# KiCad board data-center-rdimm-ddr5-tester.kicad_pcb (continued)
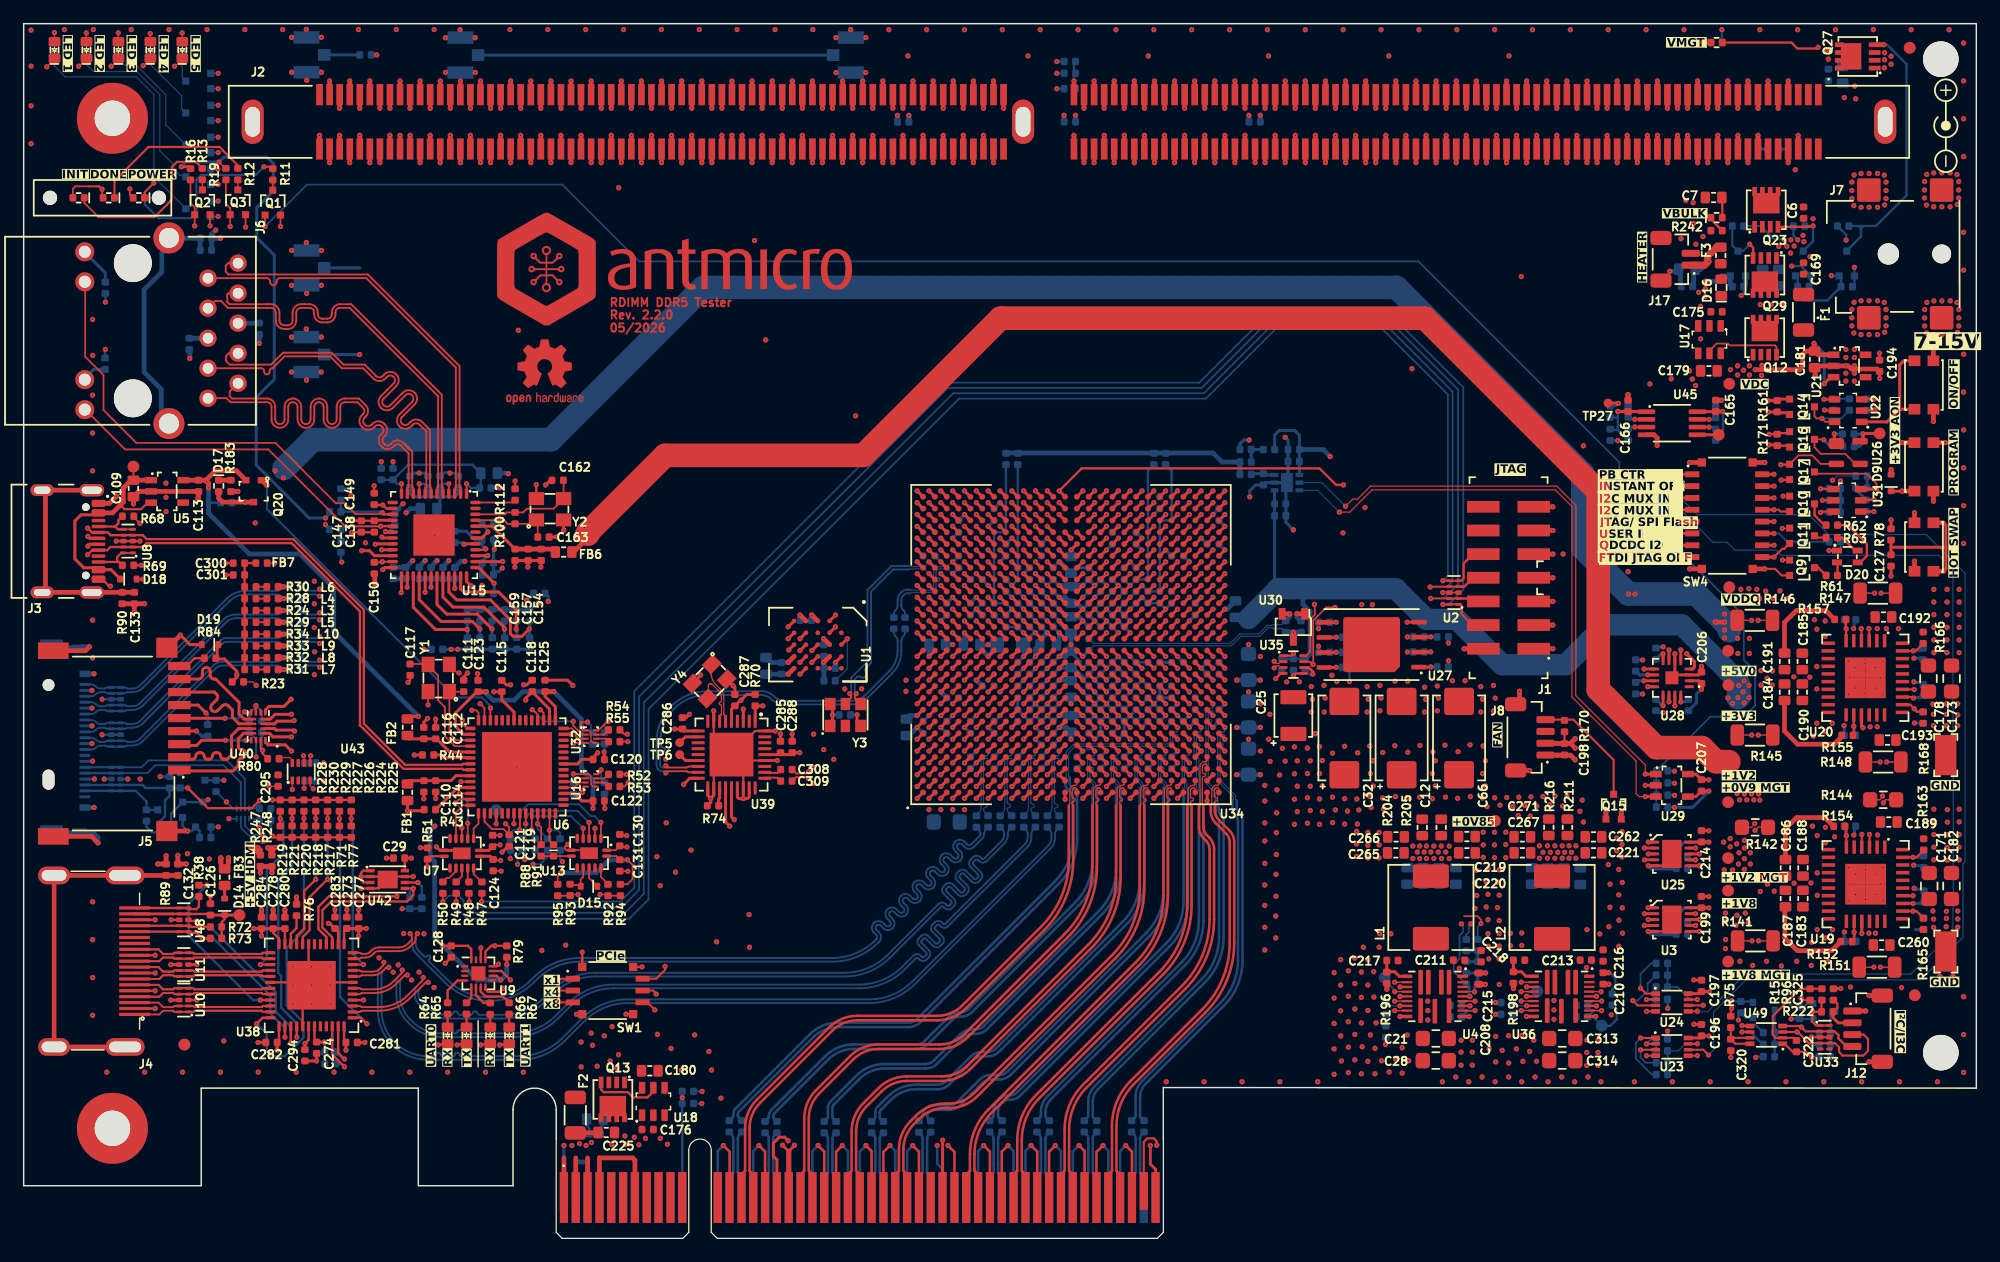
[diagram p0: board, top side]
## Routing (per net, layer and track width the routed paths; a pad name or vN(x,y) marks a point on that pad's centre or on a via; arc(x,y) is an arc through that point) (continued)
/FPGA banks HP/HyperRAM.DQ5: length 30.4
  Top w0.256: U34.H17 v1(82.5,54.2) ; v1(64.65,49.75) U1.E3
  In4.Cu w0.1: v1(64.65,49.75) 63.52,50.88 63.52,55.94 65.28,57.7 80.74,57.7 80.99,57.45 80.99,56.01 81.3,55.7 81.72,55.7 82,55.42 82,54.7 v1(82.5,54.2)
/FPGA banks HP/HyperRAM.DQ6: length 26.7
  Top w0.256: U34.D16 v1(78.5,53.2) ; U1.E2 v1(64.6,50.7)
  In4.Cu w0.1: v1(78.5,53.2) 78.5,53.51 78,54.01 78,54.42 77.7,54.72 74.93,54.72 73.82,55.83 68.86,55.83 68.55,55.52 68.55,54.57 68.7,54.42 68.93,54.42 69.95,53.4 69.95,52.04 69.11,51.2 68.31,51.2 68.02,51.49 68.02,52.95 67.71,53.26 65.41,53.26 65.12,52.97 65.12,51.22 v1(64.6,50.7)
/FPGA banks HP/HyperRAM.DQ7: length 30.3
  Top w0.256: U34.G17 v1(81.5,54.2) ; U1.E1 v1(64.6,51.7)
  In4.Cu w0.1: v1(81.5,54.2) 81,54.7 80.2,54.7 79.97,54.93 79.97,56.43 79.7,56.7 75.17,56.7 74.72,57.15 65.5,57.15 64.06,55.71 64.06,55.65 arc(64.12,55.51) 64.26,55.45 64.49,55.45 arc(64.63,55.39) 64.69,55.25 arc(64.63,55.11) 64.49,55.05 64.26,55.05 arc(64.12,54.99) 64.06,54.85 arc(64.12,54.71) 64.26,54.65 64.49,54.65 arc(64.63,54.59) 64.69,54.45 arc(64.63,54.31) 64.49,54.25 64.26,54.25 arc(64.12,54.19) 64.06,54.05 arc(64.12,53.91) 64.26,53.85 64.79,53.85 arc(64.93,53.79) 64.99,53.65 arc(64.93,53.51) 64.79,53.45 64.26,53.45 arc(64.12,53.39) 64.06,53.25 arc(64.12,53.11) 64.26,53.05 64.64,53.05 arc(64.78,52.99) 64.84,52.85 arc(64.78,52.71) 64.64,52.65 64.26,52.65 arc(64.12,52.59) 64.06,52.45 64.06,52.24 v1(64.6,51.7)
/FPGA banks HP/HyperRAM.RWDS: length 27.4
  Top w0.256: U34.G15 v1(81.5,52.2) ; U1.C3 v1(66.6,49.7)
  In4.Cu w0.1: v1(66.6,49.7) 66.3,49.7 65.8,49.2 65.35,49.2 65.1,48.95 65.1,48.51 64.8,48.21 64.4,48.21 64.11,47.92 64.11,47.41 65.23,46.29 67.25,46.29 68.28,47.32 72.67,47.32 73.62,48.27 74.66,48.27 75.1,48.71 79.72,48.71 80,48.99 80,49.42 81.21,50.63 81.68,50.63 81.97,50.92 81.97,51.43 81.5,51.9 v1(81.5,52.2)
/FPGA banks HP/HyperRAM.~{CS}: length 30
  Top w0.256: U1.A3 v1(69.6,50.7) ; U34.H18 v1(82.5,55.2)
  In4.Cu w0.1: v1(69.6,50.7) 70.13,50.7 70.47,51.04 70.47,51.15 arc(70.43,51.24) 70.33,51.28 arc(70.24,51.32) 70.2,51.42 70.2,51.45 arc(70.24,51.54) 70.33,51.58 arc(70.43,51.62) 70.47,51.72 70.47,53.53 69.22,54.78 69.22,55.22 69.4,55.4 73.55,55.4 75.28,53.67 77.7,53.67 78.05,53.32 78.05,52.91 78.3,52.66 79.8,52.66 79.99,52.85 79.99,53.39 80.3,53.7 82.81,53.7 83.01,53.9 83.01,55.51 82.86,55.66 82.63,55.66 82.5,55.53 v1(82.5,55.2)
  Bottom w0.1: v1(69.6,50.7) 69.6,48.16 68.59,47.15
/FPGA banks HP/HyperRAM.~{RESET}: length 26.7
  Top w0.256: U34.F15 v1(80.5,52.2) ; U1.A4 v1(68.6,48.7)
  In4.Cu w0.1: v1(80.5,52.2) 80.09,52.2 80,52.1 80,51.03 79.66,50.69 78.29,50.69 78.01,50.41 75.2,50.41 arc(75.08,50.36) 75.03,50.23 75.03,49.97 arc(74.97,49.85) 74.85,49.79 arc(74.73,49.85) 74.68,49.97 74.68,50.23 arc(74.62,50.36) 74.5,50.41 arc(74.38,50.36) 74.32,50.23 74.32,49.28 arc(74.27,49.16) 74.15,49.11 arc(74.03,49.16) 73.97,49.28 73.97,49.49 arc(73.94,49.58) 73.85,49.61 arc(73.76,49.65) 73.72,49.74 73.72,49.84 arc(73.76,49.93) 73.85,49.96 arc(73.94,50) 73.97,50.09 73.97,50.23 arc(73.92,50.36) 73.8,50.41 73.74,50.41 arc(73.62,50.36) 73.56,50.23 arc(73.51,50.11) 73.39,50.06 arc(73.27,50.11) 73.22,50.23 arc(73.16,50.36) 73.04,50.41 72.82,50.41 72.81,50.4 arc(72.75,50.26) 72.81,50.11 73.48,49.44 arc(73.54,49.3) 73.48,49.16 arc(73.34,49.1) 73.2,49.16 72.52,49.83 arc(72.38,49.89) 72.24,49.83 arc(72.18,49.69) 72.24,49.55 72.81,48.98 arc(72.87,48.84) 72.81,48.7 arc(72.67,48.64) 72.52,48.7 71.96,49.27 arc(71.82,49.32) 71.68,49.27 arc(71.62,49.12) 71.68,48.98 72.03,48.63 arc(72.09,48.49) 72.03,48.35 arc(71.89,48.29) 71.75,48.35 71.39,48.7 arc(71.25,48.76) 71.11,48.7 70.93,48.7 arc(70.77,48.63) 70.71,48.48 arc(70.64,48.32) 70.48,48.25 70.43,48.25 arc(70.27,48.32) 70.21,48.48 arc(70.14,48.63) 69.98,48.7 69.93,48.7 arc(69.77,48.63) 69.71,48.48 arc(69.64,48.32) 69.48,48.25 69.43,48.25 arc(69.27,48.32) 69.21,48.48 arc(69.14,48.63) 68.98,48.7 v1(68.6,48.7)
  Bottom w0.4: v1(68.6,48.7) 68.58,48.68 R1.2
/FPGA banks HP/SD.CD: length 78.4
  Top w0.256: 16.23,49.05 16.35,49.16 16.35,50.1 D19.1 ; U34.E20 v1(79.5,57.2) ; R23.1 18.01,47.44 18.01,47.94 16.96,48.99 16.23,48.99
  In2.Cu w0.1: v1(79.5,57.2) 79,56.7 74.89,56.7 74.67,56.92 61.92,56.92 59.84,54.83 50.06,54.83 47.22,52 36.4,52 36.08,51.68 30.83,51.68 29.3,50.15 29.3,47.81 26.82,45.33 26.03,45.33 24.02,43.32 22.51,43.32 22.15,43.67 22.15,44.51 23.07,45.43 23.07,45.98 21.8,47.25 18.41,47.25 v1(18.01,47.65)
/FPGA banks HP/SD.CLK: length 72.9
  Top w0.256: v1(22.6,45.57) 22,44.97 20.72,44.97 20.42,44.67 20.42,44.48 ; U34.F18 v1(80.5,55.2)
  In2.Cu w0.1: v1(22.6,45.57) 22.25,45.57 21.62,44.94 21.62,42.62 22.43,41.81 25.62,41.81 26.9,43.09 29.65,43.09 35.76,49.2 49.08,49.2 52.18,52.29 60.81,52.29 63.13,54.61 72.58,54.61 73.49,53.7 79.7,53.7 80,54 80,54.4 80.5,54.9 v1(80.5,55.2)
/FPGA banks HP/SD.CMD: length 76.7
  Top w0.256: 20.42,42.13 20.42,41.95 20.65,41.72 21.67,41.72 ; 21.5,41.72 22.1,41.72 v1(22.62,41.2) ; U34.H19 v1(82.5,56.2)
  In2.Cu w0.1: v1(82.5,56.2) 82.01,55.71 81.26,55.71 81,55.45 81,52.99 80.71,52.7 73.08,52.7 71.78,54 63.6,54 60.96,51.36 52.65,51.36 49.52,48.23 35.97,48.23 35.84,48.1 arc(35.72,47.82) 35.84,47.54 arc(35.96,47.26) 35.84,46.99 35.83,46.98 arc(35.55,46.86) 35.27,46.98 arc(35,47.09) 34.72,46.98 34.71,46.97 arc(34.59,46.69) 34.71,46.41 arc(34.82,46.13) 34.71,45.85 34.7,45.85 arc(34.42,45.73) 34.14,45.85 arc(33.86,45.96) 33.59,45.85 33.58,45.84 arc(33.46,45.56) 33.58,45.28 arc(33.69,45) 33.58,44.72 33.57,44.71 arc(33.29,44.6) 33.01,44.71 arc(32.73,44.83) 32.45,44.71 32.45,44.71 arc(32.33,44.43) 32.45,44.15 arc(32.56,43.87) 32.45,43.59 32.44,43.58 arc(32.16,43.47) 31.88,43.58 arc(31.6,43.7) 31.32,43.58 31.31,43.57 arc(31.2,43.3) 31.31,43.02 arc(31.43,42.74) 31.31,42.46 31.31,42.45 arc(31.03,42.34) 30.75,42.45 arc(30.47,42.57) 30.19,42.45 29.99,42.25 27.28,42.25 26.23,41.2 v1(22.62,41.2)
/FPGA banks HP/SD.DAT0: length 76.8
  Top w0.256: U34.G20 v1(81.5,57.2) ; v1(22.85,43.77) 22.81,43.73 21.42,43.73 21.19,43.5 U40.3
  In2.Cu w0.1: v1(81.5,57.2) 81.05,57.65 61.35,57.65 59.19,55.49 49.08,55.49 46.24,52.65 41.58,52.65 41.43,52.8 35.75,52.8 arc(35.56,52.72) 35.47,52.52 35.47,52.47 arc(35.39,52.28) 35.2,52.2 arc(35.01,52.28) 34.93,52.47 34.93,52.52 arc(34.84,52.72) 34.65,52.8 arc(34.46,52.72) 34.38,52.52 34.38,52.47 arc(34.29,52.28) 34.1,52.2 arc(33.91,52.28) 33.82,52.47 33.82,52.52 arc(33.74,52.72) 33.55,52.8 arc(33.36,52.72) 33.28,52.52 33.28,52.47 arc(33.19,52.28) 33,52.2 arc(32.81,52.28) 32.72,52.47 32.72,52.52 arc(32.64,52.72) 32.45,52.8 arc(32.26,52.72) 32.18,52.52 32.18,52.47 arc(32.09,52.28) 31.9,52.2 arc(31.71,52.28) 31.62,52.47 31.62,52.52 arc(31.54,52.72) 31.35,52.8 arc(31.16,52.72) 31.07,52.52 31.07,52.47 arc(30.99,52.28) 30.8,52.2 arc(30.61,52.28) 30.53,52.47 30.53,52.52 arc(30.44,52.72) 30.25,52.8 29.65,52.8 29.62,52.77 arc(29.55,52.61) 29.62,52.45 29.81,52.26 arc(29.88,52.1) 29.81,51.94 arc(29.65,51.87) 29.49,51.94 29.3,52.13 arc(29.14,52.2) 28.98,52.13 arc(28.92,51.97) 28.98,51.81 29.17,51.62 arc(29.24,51.46) 29.17,51.3 arc(29.01,51.24) 28.86,51.3 28.66,51.49 arc(28.5,51.56) 28.34,51.49 28.22,51.38 28.22,50.75 arc(28.3,50.58) 28.47,50.51 arc(28.64,50.43) 28.72,50.26 28.72,50.15 arc(28.64,49.98) 28.47,49.91 arc(28.3,49.83) 28.22,49.66 28.22,49.55 arc(28.3,49.38) 28.47,49.31 arc(28.64,49.23) 28.72,49.06 28.72,48.95 arc(28.64,48.78) 28.47,48.71 arc(28.3,48.63) 28.22,48.46 28.22,48.03 26.34,46.15 25.83,46.15 23.45,43.77 v1(22.85,43.77)
/FPGA banks HP/SD.DAT1: length 76.7
  Top w0.256: v1(22.63,44.3) 21.24,44.3 20.84,43.9 U40.4 ; U34.G21 v1(81.5,58.2)
  In2.Cu w0.1: v1(81.5,58.2) 81,58.7 75.03,58.7 74.75,58.42 60.83,58.42 58.83,56.42 48.38,56.42 45.16,53.2 42.05,53.2 41.72,53.53 27.89,53.53 27.76,53.4 arc(27.66,53.17) 27.76,52.94 27.93,52.77 arc(28.02,52.54) 27.93,52.31 arc(27.7,52.22) 27.47,52.31 27.3,52.48 arc(27.07,52.58) 26.84,52.48 26.63,52.27 26.63,51.98 arc(26.73,51.75) 26.95,51.66 27.3,51.66 arc(27.53,51.56) 27.63,51.33 arc(27.53,51.1) 27.3,51 26.95,51 arc(26.73,50.91) 26.63,50.68 arc(26.73,50.45) 26.95,50.35 27.3,50.35 arc(27.53,50.26) 27.63,50.03 arc(27.53,49.8) 27.3,49.7 26.95,49.7 arc(26.73,49.61) 26.63,49.38 arc(26.73,49.15) 26.95,49.05 27.3,49.05 arc(27.53,48.96) 27.63,48.73 arc(27.53,48.5) 27.3,48.41 26.95,48.41 arc(26.73,48.31) 26.63,48.08 26.63,47.5 26.17,47.04 25.37,47.04 v1(22.63,44.3)
/FPGA banks HP/SD.DAT2: length 74.1
  Top w0.256: U34.F19 v1(80.5,56.2) ; 20.42,42.7 20.77,42.7 21.07,42.4 v1(22.63,42.4)
  In2.Cu w0.1: v1(22.63,42.4) 25.06,42.4 26.49,43.83 28.52,43.83 29.01,44.32 arc(29.24,44.42) 29.47,44.32 29.49,44.3 arc(29.72,44.2) 29.95,44.3 arc(30.05,44.53) 29.95,44.76 29.45,45.26 arc(29.35,45.49) 29.45,45.72 arc(29.68,45.82) 29.91,45.72 30.41,45.22 arc(30.64,45.12) 30.87,45.22 30.87,45.22 arc(30.97,45.45) 30.87,45.68 30.37,46.18 arc(30.27,46.41) 30.37,46.64 arc(30.6,46.74) 30.83,46.64 31.33,46.14 arc(31.56,46.04) 31.79,46.14 arc(31.89,46.37) 31.79,46.6 31.29,47.1 arc(31.19,47.33) 31.29,47.56 arc(31.52,47.65) 31.75,47.56 31.77,47.54 arc(32,47.44) 32.23,47.54 35.04,50.35 37.31,50.35 37.61,50.05 48.06,50.05 51.18,53.17 60.55,53.17 62.77,55.39 73.13,55.39 73.82,54.7 79.7,54.7 80,55 80,55.4 80.5,55.9 v1(80.5,56.2)
/FPGA banks HP/SD.DAT3: length 76.2
  Top w0.256: U34.F20 v1(80.5,57.2) ; U40.2 21.2,43.1 21.33,42.97 22.8,42.97 v1(22.88,42.89)
  In2.Cu w0.1: v1(80.5,57.2) 80,56.7 80,56 79.7,55.7 74.15,55.7 73.65,56.2 62.46,56.2 60.26,54 50.53,54 47.43,50.9 32.46,50.9 32.23,50.67 arc(32.15,50.48) 32.23,50.3 33.03,49.49 arc(33.11,49.3) 33.03,49.1 arc(32.84,49.02) 32.64,49.1 31.12,50.62 arc(30.93,50.7) 30.73,50.62 arc(30.65,50.43) 30.73,50.23 32.25,48.71 arc(32.33,48.52) 32.25,48.33 arc(32.06,48.25) 31.86,48.33 31.07,49.12 arc(30.87,49.2) 30.68,49.12 30.53,48.97 30.53,47.66 27.45,44.58 26.32,44.58 24.64,42.9 22.89,42.9 v1(22.88,42.89)
/FPGA banks HP/VREF: length 21.1
  Bottom w0.4: 83,66.4 100.5,66.4 101.26,65.64 R256.2 R255.2
/FPGA banks HP/VREF_64: length 14.1
  Top w0.256: U34.W18 v1(94.5,55.2)
  Bottom w0.198: 96.5,65.4 97,64.9 97,60.9 96.8,60.7 96.2,60.7 96,60.5 R129.2 C333.1
  Bottom w0.256: v1(94.5,55.2) C333.1
/FPGA banks HP/VREF_65: length 12.9
  Top w0.256: U34.V18 v1(93.5,55.2)
  Bottom w0.198: 95.5,65.4 95,64.9 95,56 94.7,55.7 C334.1 v1(93.5,55.2) R130.2
/FPGA banks HP/VREF_66: length 11.8
  Top w0.256: U34.J18 v1(83.5,55.2)
  Bottom w0.198: 84,65.4 R131.2 84,55.7 v1(83.5,55.2)
  Bottom w0.256: v1(83.5,55.2) C335.1
/FPGA banks HP/VREF_67: length 15.6
  Top w0.256: U34.J16 v1(83.5,53.2)
  Bottom w0.198: 83,65.4 83,59.9 82.8,59.7 82.2,59.7 82,59.5 R132.2 83,53.7 v1(83.5,53.2)
  Bottom w0.256: v1(83.5,53.2) 83,52.7 C336.1
/FPGA banks HP/VRP_64: length 1.4
  Top w0.256: U34.AF23 v1(101.5,60.2)
  Bottom w0.256: R133.1 v1(101.5,60.2)
/FPGA banks HP/VRP_65: length 1.4
  Top w0.256: U34.W21 v1(94.5,58.2)
  Bottom w0.256: R134.1 v1(94.5,58.2)
/FPGA banks HP/VRP_66: length 1.4
  Top w0.256: U34.M22 v1(86.5,59.2)
  Bottom w0.256: v1(86.5,59.2) R180.1
/FPGA banks HP/VRP_67: length 1.4
  Top w0.256: U34.F17 v1(80.5,54.2)
  Bottom w0.256: R182.1 v1(80.5,54.2)
/FPGA Config/DONE: length 118.7
  Top w0.15: 17.45,86.3 17.45,87.11 17.09,87.47 17.09,89.29 ; v1(17.45,85.55) Q3.1
  Top w0.256: U34.AB11 v1(97.5,47.2)
  In2.Cu w0.1: v1(74.55,46.25) 73.95,46.85 73.95,47.55 74.1,47.7 75.65,47.7 76,48.05 76,49.45 76.65,50.1 77.5,50.1 78.1,50.7 82.7,50.7 82.95,50.95 82.95,52.35 83.38,52.77 87.85,52.77 88.9,53.82 91.69,53.82 92.12,53.39 92.12,51.99 91.71,51.57 91.22,51.57 91.12,51.47 91.12,48.9 91.2,48.82 93.52,48.82 94.12,48.22 94.12,47.88 94.3,47.7 U34.AB11 v1(97.5,47.2)
  In4.Cu w0.1: v1(17.45,85.55) 18.03,84.97 25.38,84.97 61.5,48.85 61.5,46.68 65.1,43.08 71.3,43.08 74.47,46.25 v1(74.55,46.25)
/FPGA Config/DX_N: length 17.9
  Top w0.1: U35.3 106.22,48.26 106.06,48.41 105.84,48.41 v1(105.67,48.23)
  Top w0.256: U34.T13 v1(91.5,49.2)
  In2.Cu w0.1: v1(91.5,49.2) 91.5,50 91.6,50.1 93.65,50.1 93.9,49.85 93.9,48.93 94.23,48.6 103.86,48.6 104.05,48.41 105.49,48.41 v1(105.67,48.23)
/FPGA Config/DX_P: length 17.9
  Top w0.1: U35.2 106.22,48.76 106.06,48.61 105.84,48.61 v1(105.67,48.78)
  Top w0.256: U34.T14 v1(91.5,51.2)
  In2.Cu w0.1: v1(105.67,48.78) 105.49,48.61 104.13,48.61 103.94,48.8 94.31,48.8 94.1,49.02 94.1,49.93 93.73,50.3 91.57,50.3 91.5,50.38 v1(91.5,51.2)
/FPGA Config/FLASH.IO0: length 25.2
  Top w0.256: v1(99.5,47.2) U34.AD11
  In4.Cu w0.1: v1(109.41,51.55) 109.41,50.74 109.94,50.21 109.94,49.57 109.54,49.17 109.54,48.26 109.7,48.1 110.09,48.1 110.22,48.23 110.22,48.59 110.59,48.96 111.27,48.96 111.53,48.7 111.53,48.62 arc(111.61,48.43) 111.81,48.34 112.89,48.34 arc(113.08,48.26) 113.16,48.07 arc(113.08,47.88) 112.89,47.79 111.81,47.79 arc(111.61,47.71) 111.53,47.52 111.53,46.94 111.2,46.61 110.69,46.61 110.05,47.25 108.71,47.25 108.05,46.59 102.46,46.59 102.35,46.7 100.37,46.7 99.87,47.2 v1(99.5,47.2)
  Bottom w0.256: v1(109.41,51.55) 109.41,51.56 109.41,52.09
/FPGA Config/FLASH.IO1: length 25.7
  Top w0.256: U34.AC12 v1(98.5,48.2)
  In4.Cu w0.1: v1(116.92,49.58) 116.92,49.65 116.52,50.05 110.57,50.05 109.95,50.66 109.95,51.7 109.57,52.08 109.18,52.08 108.8,51.7 108.8,51.1 108.49,50.79 106.35,50.79 105.13,49.57 105.13,49.14 104.69,48.7 104.1,48.7 arc(103.92,48.77) 103.84,48.95 arc(103.77,49.13) 103.59,49.21 103.55,49.21 arc(103.37,49.13) 103.29,48.95 103.29,48.44 arc(103.22,48.26) 103.04,48.19 103,48.19 arc(102.82,48.26) 102.75,48.44 102.75,48.95 arc(102.67,49.13) 102.49,49.21 102.43,49.21 arc(102.25,49.13) 102.17,48.95 arc(102.1,48.77) 101.92,48.7 99.35,48.7 98.85,48.2 v1(98.5,48.2)
  Bottom w0.256: v1(116.92,49.58) 116.93,49.58 117.41,49.58
/FPGA Config/FLASH.IO2: length 25.1
  Top w0.256: v1(98.5,47.2) U34.AC11
  In4.Cu w0.1: v1(116.92,50.85) 116.52,50.44 110.65,50.44 110.35,50.74 110.35,52.01 109.86,52.5 109.08,52.5 108.29,51.71 105.96,51.71 103.94,49.7 99.4,49.7 99,49.3 99,48.99 98.71,48.7 98.39,48.7 98.05,48.36 98.05,47.65 v1(98.5,47.2)
  Bottom w0.256: 117.41,50.85 116.93,50.85 v1(116.92,50.85)
/FPGA Config/FLASH.IO3: length 23.8
  Top w0.256: U34.AE11 v1(100.5,47.2)
  In4.Cu w0.1: v1(100.5,47.2) 100.96,47.66 101.84,47.66 101.94,47.76 102.7,47.76 arc(102.86,47.69) 102.93,47.53 102.93,47.08 arc(102.99,46.93) 103.15,46.86 arc(103.31,46.93) 103.38,47.08 103.38,47.53 arc(103.44,47.69) 103.6,47.76 103.61,47.76 arc(103.75,47.82) 103.81,47.96 103.81,48.16 arc(103.87,48.3) 104.01,48.36 arc(104.15,48.3) 104.21,48.16 104.21,47.96 arc(104.27,47.82) 104.41,47.76 arc(104.55,47.82) 104.61,47.96 104.61,48.16 arc(104.67,48.3) 104.81,48.36 arc(104.95,48.3) 105.01,48.16 105.01,47.96 arc(105.07,47.82) 105.21,47.76 106.31,47.76 106.59,48.04 106.59,48.13 arc(106.66,48.31) 106.84,48.38 107.54,48.38 arc(107.65,48.34) 107.69,48.23 107.69,47.83 arc(107.73,47.72) 107.84,47.68 arc(107.95,47.72) 107.99,47.83 107.99,48.23 arc(108.03,48.34) 108.14,48.38 108.24,48.38 arc(108.42,48.45) 108.49,48.63 arc(108.42,48.81) 108.24,48.88 106.43,48.88 arc(106.27,48.94) 106.18,49.08 106.18,49.35 107.11,50.28 107.52,50.28 arc(107.66,50.22) 107.72,50.08 107.72,49.53 arc(107.78,49.39) 107.92,49.33 arc(108.06,49.39) 108.12,49.53 108.12,50.08 arc(108.18,50.22) 108.32,50.28 arc(108.46,50.22) 108.52,50.08 108.52,49.53 arc(108.58,49.39) 108.72,49.33 arc(108.86,49.39) 108.92,49.53 108.92,50.08 arc(108.98,50.22) 109.12,50.28 109.2,50.28 v1(109.42,50.06)
  Bottom w0.256: 109.41,49.55 109.41,50.05 v1(109.42,50.06)
/FPGA Config/FLASH.SCK: length 29.9
  Top w0.256: U27.6 110.89,50.8 v1(110.9,50.82) ; U34.Y11 v1(95.5,47.2)
  In4.Cu w0.1: v1(95.5,47.2) 96,47.7 96,48.4 96.35,48.75 97.8,48.75 98,48.95 98,49.23 98.81,50.04 102.57,50.04 104.86,52.33 108.36,52.33 108.88,52.85 110.8,52.85 111.69,51.96 114.81,51.96 114.98,51.79 114.98,51.25 114.82,51.09 111.17,51.09 v1(110.9,50.82)
  Bottom w0.256: 111.43,50.82 111.42,50.82 v1(110.9,50.82)
/FPGA Config/FLASH.~{CS}: length 27.1
  Top w0.256: U34.AA12 v1(96.5,48.2) ; 117.9,48.3 118.88,48.3 v1(118.9,48.31)
  In4.Cu w0.1: v1(118.9,48.31) 116.72,46.13 104.3,46.13 103.94,45.77 100.26,45.77 99.97,46.06 99.97,46.41 99.68,46.7 98.31,46.7 98,47.01 98,47.3 97.55,47.75 96.95,47.75 v1(96.5,48.2)
  Bottom w0.256: v1(118.9,48.31) 119.43,48.31
/FPGA Config/FPGA_PWR.SCL: length 83
  Top w0.15: v1(109.07,53.6) 109.1,53.57 109.1,52.73 108.72,52.34 108.72,49.62 108.36,49.26 U35.8
  Top w0.177: v1(137.13,20.19) 137.14,20.19 U24.2
  Top w0.256: U34.W13 v1(94.5,49.2)
  In4.Cu w0.1: v1(137.13,20.19) 136.76,20.19 135.9,21.05 135.9,36.97 132.7,40.17 132.7,52.25 132.05,52.9 111.9,52.9 111.08,53.72 109.57,53.72 109.4,53.55 108.7,53.55 108.55,53.4 104.23,53.4 101.56,50.72 96.03,50.72 v1(94.5,49.2)
  Bottom w0.15: 137.94,21.25 137.94,20.2
  Bottom w0.177: 137.94,20.2 137.14,20.2 v1(137.13,20.19)
/FPGA Config/FPGA_PWR.SDA: length 89.3
  Top w0.15: U35.7 108.64,48.76 108.7,48.7 108.77,48.7 v1(108.95,48.52) 108.97,48.53 108.97,52.24 110.07,53.34 v1(110.81,53.34)
  Top w0.177: v1(137.13,16.44) 137.14,16.44 U23.2
  Top w0.256: U34.W12 v1(94.5,48.2)
  In4.Cu w0.1: v1(137.13,16.44) 136.6,16.44 136.2,16.84 136.2,19.3 136.35,19.45 136.35,20.26 136.13,20.48 135.72,20.48 135.6,20.6 135.6,36.27 131.88,40 131.88,52.15 131.47,52.55 111.6,52.55 v1(110.81,53.34) 109.69,53.34 109.54,53.19 108.62,53.19 108.62,53.19 104.49,53.19 101.7,50.4 96.12,50.4 94.88,49.15 94.88,48.57 v1(94.5,48.2)
  Bottom w0.15: 137.94,15.85 137.94,16.85
  Bottom w0.177: v1(137.13,16.44) 137.54,16.85 137.94,16.85
/FPGA Config/INIT_B: length 119.3
  Top w0.15: 14.1,89.28 14.1,87.54 14.45,87.19 14.45,86.3 ; v1(14.45,85.6) Q2.1
  Top w0.256: U34.W10 v1(94.5,46.2)
  In2.Cu w0.1: v1(94.5,46.2) U34.W10 94,47.4 93.65,47.75 93.35,47.75 92.95,48.15 92.95,48.4 92.78,48.57 91.17,48.57 90.93,48.82 90.93,51.6 91.1,51.77 91.62,51.77 91.93,52.07 91.93,53.31 91.61,53.62 88.98,53.62 87.93,52.57 84.3,52.57 84.05,52.32 84.05,50.9 82.85,49.7 77.45,49.7 76.88,49.12 76.88,46.92 76.65,46.7 75.04,46.7 v1(74.56,47.19)
  In4.Cu w0.1: v1(14.45,85.6) 15.85,87 24.12,87 62.04,49.08 62.04,46.75 65.11,43.68 71.06,43.68 v1(74.56,47.19)
/FPGA Config/MODE0: length 1.4
  Top w0.256: v1(96.5,46.2) U34.AA10
  Bottom w0.256: v1(96.5,46.2) R17.1
/FPGA Config/POR_OVERRIDE: length 2.4
  Top w0.256: U34.Y12 v1(95.5,48.2)
  Bottom w0.201: R37.2 v1(95.5,48.2)
  Bottom w0.256: R194.1 R37.2
/FPGA Config/PROGRAM_B: length 80.4
  Top w0.256: v1(158.71,63.18) 158.71,63.17 D9.1 ; U34.AB9 v1(97.5,45.2)
  Top w0.4: 159.74,63.18 v1(158.71,63.18) ; 159.77,67.28 v1(158.75,67.28)
  In2.Cu w0.1: v1(97.5,45.2) 97.88,45.57 102.62,45.57 103.5,44.7 104.75,44.7 104.93,44.88 111.97,44.88 113.35,46.25 117.02,46.25 118.37,47.6 119.2,47.6 119.6,48 119.6,50.7 121.15,52.25 121.15,53.85 122.55,55.25 134.45,55.25 v1(135.57,56.38)
  In4.Cu w0.1: v1(158.75,67.28) 158.71,67.24 v1(158.71,63.18) 157.56,62.02 149.95,62.02 148.15,60.23 139.43,60.23 v1(135.57,56.38)
  Bottom w0.256: 97.01,44.72 97.49,45.2 v1(97.5,45.2)
/FPGA Config/PUDC_B: length 2.1
  Top w0.256: U34.W9 v1(94.5,45.2)
  Bottom w0.201: U34.W9 v1(94.5,45.2) R21.2
/FPGA Config/VREFN: length 17.9
  Top w0.256: U34.P13 v1(89.5,49.2)
  Bottom w0.1: TP4.2 105.6,51.55 105.53,51.62 105.17,51.62 104.44,50.9 102.84,50.9 102.04,50.1 90.4,50.1 C69.1
  Bottom w0.256: C69.1 v1(89.5,49.2)
/FPGA Config/VREFP: length 17.9
  Top w0.256: U34.R14 v1(90.5,51.2)
  Bottom w0.1: C69.2 90.4,50.3 101.96,50.3 102.76,51.1 104.36,51.1 105.08,51.82 105.53,51.82 105.6,51.9 TP3.2
  Bottom w0.256: C69.2 U34.R14 v1(90.5,51.2)
/FPGA Config/~{ALARM}: length 1.9
  Top w0.256: U35.6 108.57,48.26 108.93,47.91 v1(108.93,47.7)
  Bottom w0.182: v1(108.93,47.7) 108.65,47.7 108.32,48.03 R20.2
/FPGA Config/~{THERM}: length 1.7
  Top w0.1: U35.4 106.22,47.76
  Top w0.201: 106.22,47.76 105.8,47.34 v1(105.8,47.33)
  Bottom w0.182: v1(105.8,47.33) 106.06,47.59 106.06,47.76 R39.2
/FPGA MGT Interface/GTR_REFCLK0_N: length 58.9
  Top w0.256: v1(97.5,42.2) U34.AB6
  Bottom w0.1: v1(97.5,42.2) 97.5,42.48 arc(97.5,42.5) 97.48,42.52 97.43,42.57 arc(97.4,42.59) 97.36,42.6 97.28,42.6 arc(97.24,42.59) 97.21,42.57 97.13,42.49 arc(97.11,42.46) 97.1,42.42 97.1,42.03 arc(97.08,41.92) 97.01,41.82 96.88,41.69 arc(96.78,41.62) 96.67,41.6 90.3,41.6 arc(90.2,41.56) 90.16,41.46 arc(90.12,41.36) 90.02,41.32 89.95,41.32 arc(89.85,41.36) 89.81,41.46 arc(89.77,41.56) 89.67,41.6 88.88,41.6 arc(88.84,41.59) 88.81,41.57 88.33,41.09 arc(88.31,41.06) 88.3,41.02 88.3,39.07 arc(88.31,39.03) 88.33,39 88.39,38.94
  Bottom w0.22: 88.39,38.94 88.39,38.54 arc(88.43,38.35) 88.54,38.18 88.76,37.96 arc(88.95,37.68) 89.01,37.34 89.01,33.75 arc(88.61,31.69) 87.44,29.95 75.76,18.26 arc(75.31,17.97) 74.78,17.86 68.82,17.86 arc(67.67,17.63) 66.7,16.98 60.43,10.71 arc(60.37,10.62) 60.34,10.5 60.34,10.37 arc(60.36,10.3) 60.4,10.23 60.67,9.96
/FPGA MGT Interface/GTR_REFCLK0_P: length 58.9
  Top w0.256: v1(97.5,43.2) U34.AB7
  Bottom w0.1: 88.01,38.94 88.07,39 arc(88.09,39.03) 88.1,39.07 88.1,41.02 arc(88.12,41.13) 88.19,41.23 88.67,41.71 arc(88.77,41.78) 88.88,41.8 96.67,41.8 arc(96.71,41.81) 96.74,41.83 96.87,41.96 arc(96.89,41.99) 96.9,42.03 96.9,42.46 arc(96.92,42.54) 96.96,42.6 97.1,42.74 arc(97.16,42.78) 97.24,42.8 97.36,42.8 arc(97.4,42.81) 97.43,42.83 97.44,42.84 arc(97.48,42.91) 97.5,42.99 v1(97.5,43.2)
  Bottom w0.22: 88.01,38.94 88.01,38.54 arc(88.08,38.2) 88.27,37.91 88.49,37.69 arc(88.6,37.53) 88.63,37.34 88.63,33.75 arc(88.25,31.84) 87.17,30.21 75.49,18.53 arc(75.16,18.32) 74.78,18.24 68.82,18.24 arc(67.53,17.98) 66.43,17.25 60.16,10.98 arc(60.02,10.76) 59.96,10.5 59.96,10.37 arc(59.95,10.3) 59.9,10.23 C258.1
/FPGA MGT Interface/GTY_224_TX0_N: length 38.4
  Top w0.256: U34.AF6 v1(101.5,42.2)
  Bottom w0.1: v1(101.5,42.2) 101.5,42.46 arc(101.49,42.5) 101.47,42.53 101.43,42.57 arc(101.4,42.59) 101.36,42.6 101.28,42.6 arc(101.24,42.59) 101.21,42.57 101.13,42.49 arc(101.11,42.46) 101.1,42.42 101.1,42.01 arc(101.14,41.92) 101.23,41.88 arc(101.32,41.84) 101.36,41.75 101.36,41.71 arc(101.32,41.62) 101.23,41.58 arc(101.14,41.54) 101.1,41.45 101.1,38.78 arc(101.11,38.75) 101.13,38.71 102.31,37.53 arc(102.38,37.43) 102.4,37.32 102.4,37.16 arc(102.41,37.12) 102.43,37.09 102.51,37.01
  Bottom w0.22: C252.2 94.65,9.95 94.4,10.2 arc(94.35,10.27) 94.34,10.35 94.34,11.97 arc(94.45,12.55) 94.78,13.03 101.41,19.67 arc(102.58,21.42) 102.99,23.47 102.99,35.33 arc(102.92,35.67) 102.73,35.95 102.66,36.03 arc(102.55,36.19) 102.51,36.39 102.51,37.01
/FPGA MGT Interface/GTY_224_TX0_P: length 38.4
  Top w0.256: v1(101.5,43.2) U34.AF7
  Bottom w0.1: 102.13,37.01 102.17,37.05 arc(102.19,37.08) 102.2,37.12 102.2,37.32 arc(102.19,37.36) 102.17,37.39 100.99,38.57 arc(100.92,38.67) 100.9,38.78 100.9,42.46 arc(100.91,42.54) 100.96,42.6 101.1,42.74 arc(101.16,42.79) 101.24,42.8 101.36,42.8 arc(101.4,42.81) 101.43,42.83 101.47,42.87 arc(101.49,42.9) 101.5,42.94 v1(101.5,43.2)
  Bottom w0.22: C251.2 93.9,10.23 arc(93.94,10.29) 93.96,10.37 93.96,11.97 arc(94.1,12.69) 94.51,13.3 101.15,19.94 arc(102.23,21.56) 102.61,23.47 102.61,35.33 arc(102.57,35.52) 102.46,35.69 102.39,35.76 arc(102.2,36.05) 102.13,36.39 102.13,37.01
/FPGA MGT Interface/GTY_224_TX1_N: length 41.2
  Top w0.256: U34.AE8 v1(100.5,44.2)
  Bottom w0.1: 100.98,36.5 100.93,36.55 arc(100.91,36.58) 100.9,36.62 100.9,37.62 arc(100.88,37.73) 100.81,37.83 100.13,38.51 arc(100.11,38.54) 100.1,38.58 100.1,38.58 100.1,43.44 arc(100.14,43.54) 100.23,43.57 100.24,43.57 arc(100.34,43.61) 100.38,43.71 100.38,43.74 arc(100.34,43.84) 100.24,43.88 100.23,43.88 arc(100.14,43.91) 100.1,44.01 100.1,44.42 arc(100.11,44.46) 100.13,44.49 100.21,44.57 arc(100.24,44.59) 100.28,44.6 100.36,44.6 arc(100.4,44.59) 100.43,44.57 100.47,44.53 arc(100.49,44.5) 100.5,44.46 v1(100.5,44.2)
  Bottom w0.22: C254.2 90.65,9.95 90.4,10.2 arc(90.35,10.27) 90.34,10.35 90.34,11.55 arc(90.45,12.12) 90.78,12.61 99.81,21.65 arc(100.98,23.39) 101.39,25.45 101.39,35.21 arc(101.32,35.55) 101.13,35.84 101.12,35.85 arc(101.01,36.01) 100.98,36.2 100.98,36.5
/FPGA MGT Interface/GTY_224_TX1_P: length 41.2
  Top w0.256: U34.AE9 v1(100.5,45.2)
  Bottom w0.1: v1(100.5,45.2) 100.5,44.94 arc(100.49,44.9) 100.47,44.87 100.43,44.83 arc(100.4,44.81) 100.36,44.8 100.24,44.8 arc(100.16,44.79) 100.1,44.74 99.96,44.6 arc(99.91,44.54) 99.9,44.46 99.9,42.82 99.9,38.56 arc(99.92,38.47) 99.97,38.39 100.67,37.69 arc(100.69,37.66) 100.7,37.62 100.7,36.65 arc(100.69,36.61) 100.67,36.57 100.6,36.5
  Bottom w0.22: 100.6,36.5 100.6,36.2 arc(100.66,35.86) 100.85,35.58 100.86,35.57 arc(100.97,35.41) 101.01,35.21 101.01,25.45 arc(100.63,23.54) 99.55,21.91 90.51,12.88 arc(90.1,12.27) 89.96,11.55 89.96,10.37 arc(89.94,10.29) 89.9,10.23 C253.2
/FPGA MGT Interface/GTY_224_TX2_N: length 39.9
  Top w0.256: v1(99.5,42.2) U34.AD6
  Bottom w0.1: v1(99.5,42.2) 99.5,42.46 arc(99.49,42.5) 99.47,42.53 99.46,42.54 arc(99.39,42.58) 99.31,42.6 99.28,42.6 arc(99.24,42.59) 99.21,42.57 99.13,42.49 arc(99.11,42.46) 99.1,42.42 99.1,41.98 arc(99.14,41.87) 99.25,41.83 arc(99.36,41.79) 99.4,41.68 arc(99.36,41.57) 99.25,41.53 arc(99.14,41.49) 99.1,41.38 99.1,40.82 arc(99.11,40.75) 99.16,40.68 99.18,40.66 arc(99.27,40.53) 99.3,40.38 99.3,38.18 arc(99.31,38.14) 99.33,38.11 99.51,37.93 arc(99.58,37.83) 99.6,37.72 99.6,36.38 arc(99.61,36.35) 99.63,36.31 99.69,36.25